# Altium PCB MotorDriverV0.PcbDoc (part 1 of 2) (continued)
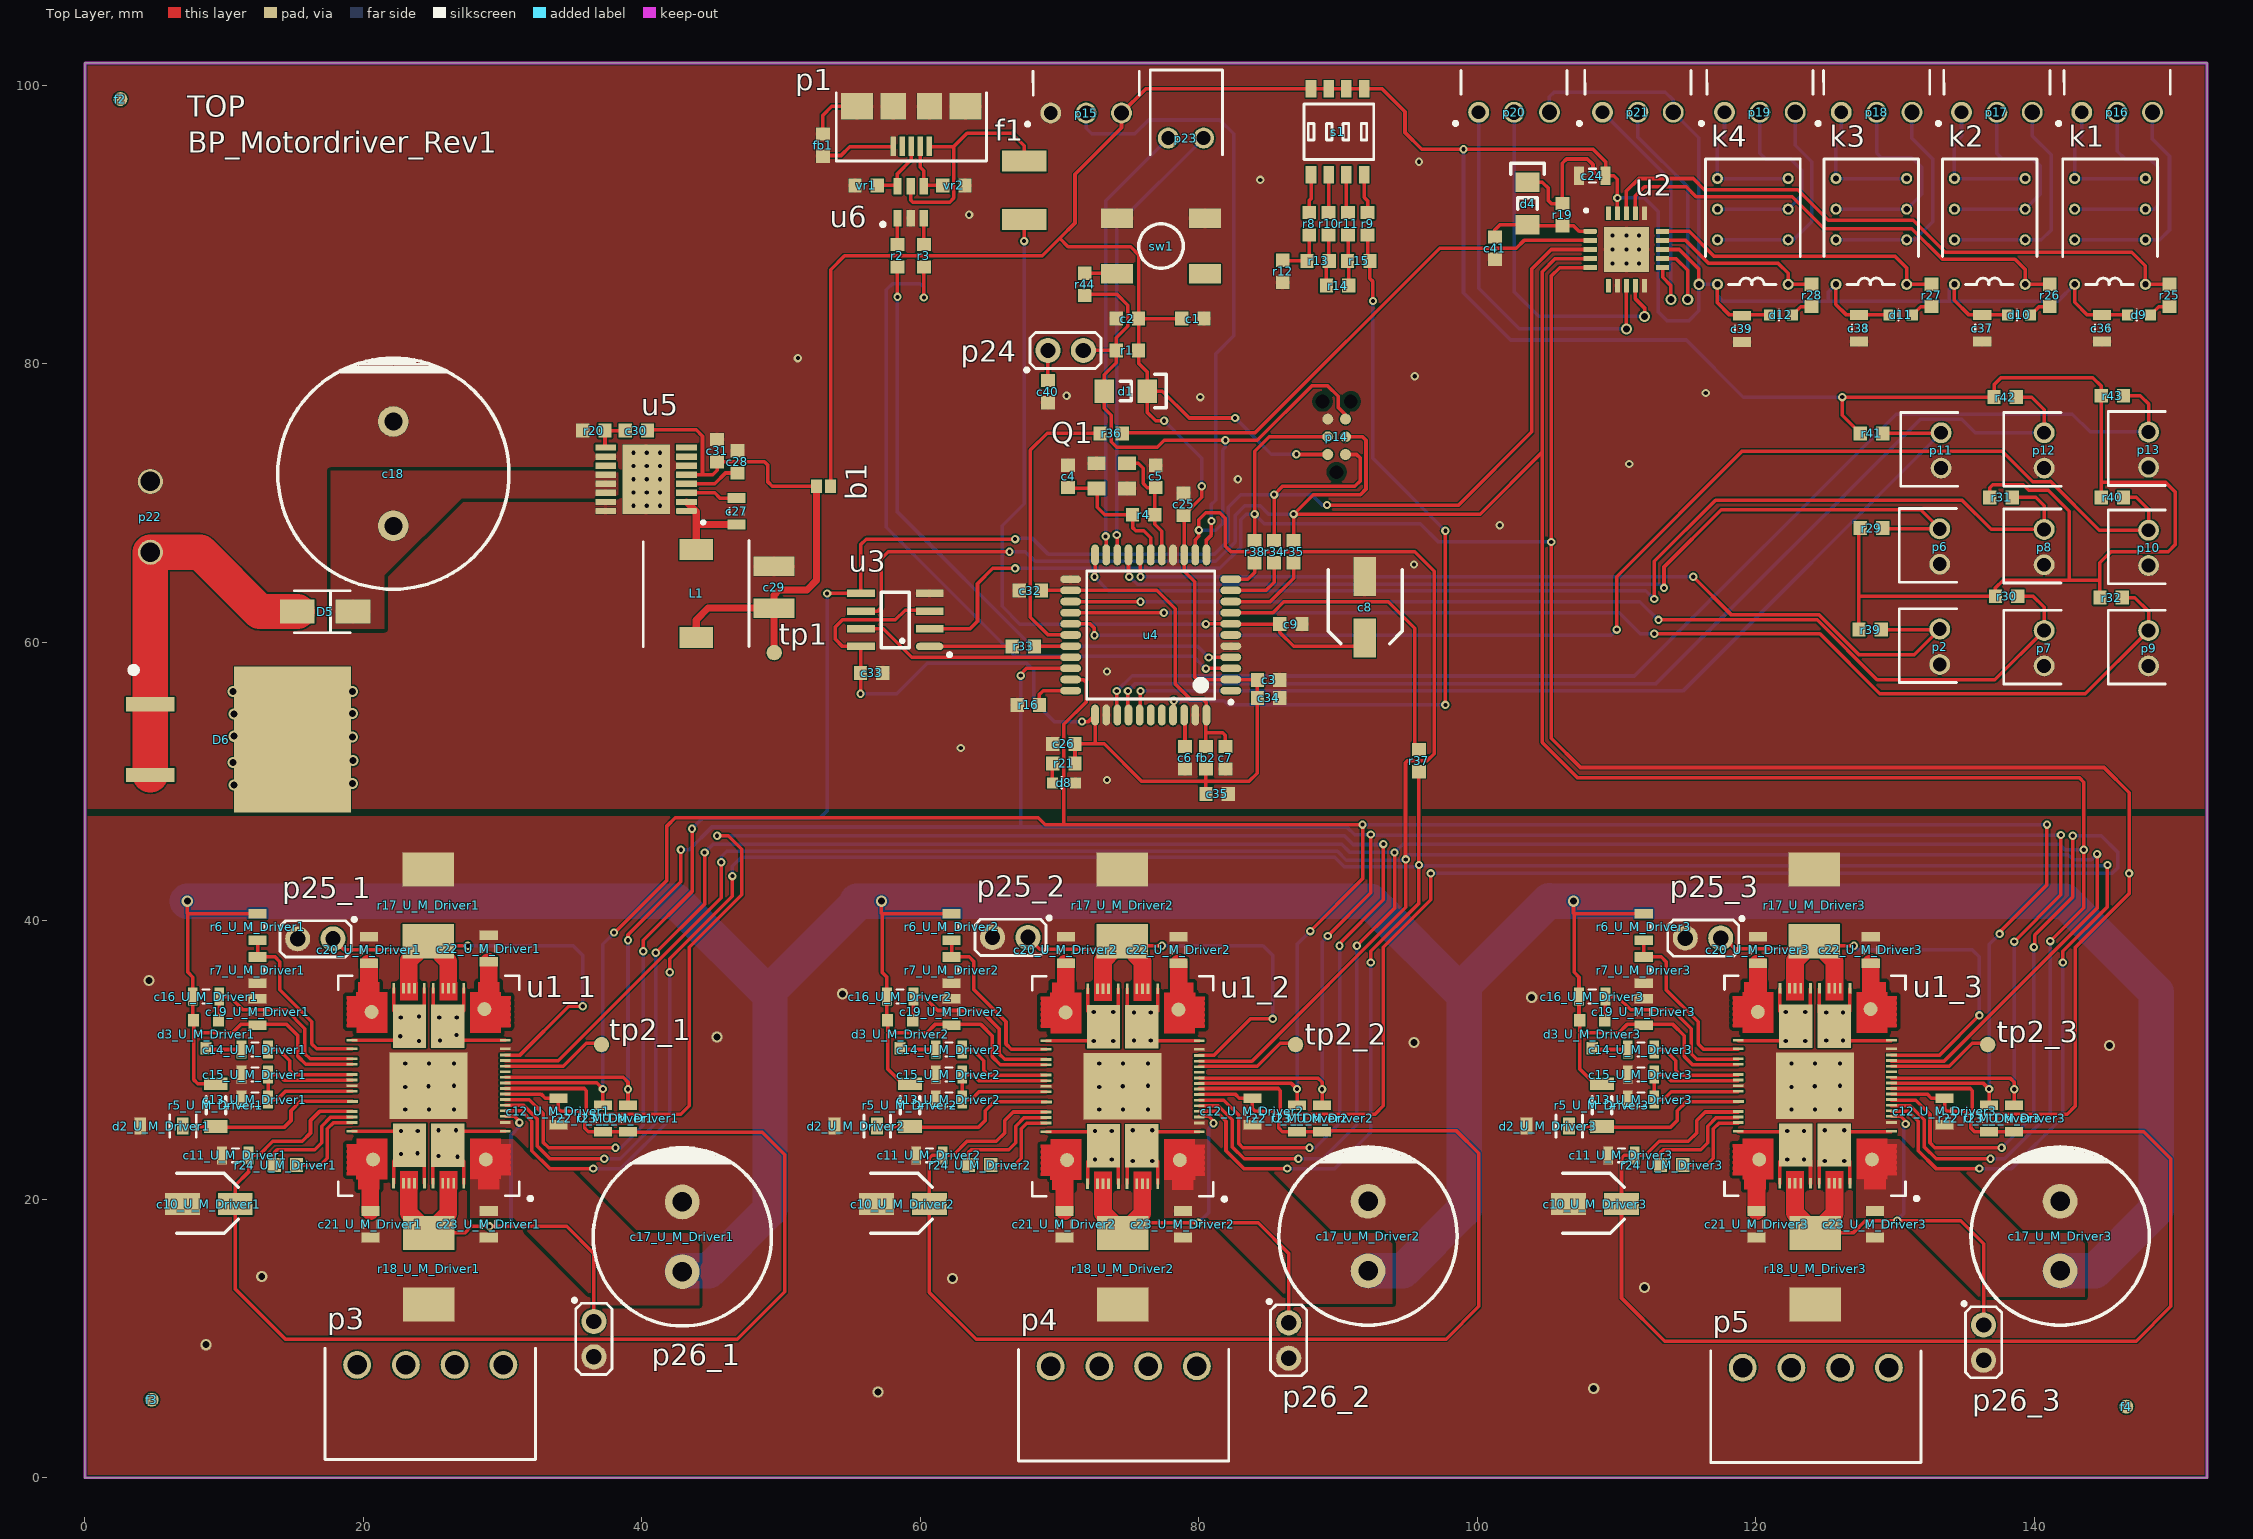
[diagram p0: Top Layer view]
## Components (designator, comment, footprint, x,y, rotation, side; value= is the part's Value field where it differs from the comment) (continued)
r5_U_M_Driver3 "3k9" 1206 108.946,26.75 r270 top (schematic designator r5)
r6_U_M_Driver1 "27k" 0805 12.4,39.55 r90 top (schematic designator r6)
r6_U_M_Driver2 "27k" 0805 62.246,39.55 r90 top (schematic designator r6)
r6_U_M_Driver3 "27k" 0805 111.946,39.55 r90 top (schematic designator r6)
r7_U_M_Driver1 "1k8" 0805 12.4,36.45 r90 top (schematic designator r7)
r7_U_M_Driver2 "1k8" 0805 62.246,36.45 r90 top (schematic designator r7)
r7_U_M_Driver3 "1k8" 0805 111.946,36.45 r90 top (schematic designator r7)
r8 "1k" 0603 87.924,90.051 r90 top
r9 "1k" 0603 92.115,90.051 r90 top
r10 "1k" 0603 89.321,90.051 r90 top
r11 "1k" 0603 90.718,90.051 r90 top
r12 "1k" 0603 86.019,86.622 r270 top
r13 "520R" 0603 88.559,87.384 r180 top
r14 "520R" 0603 89.956,85.606 r180 top
r15 "520R" 0603 91.48,87.384 r180 top
r16 "10k" 0603 67.76,55.5 r0 top
r17_U_M_Driver1 "0R1" 2512 24.65,41.1 r270 top (schematic designator r17)
r17_U_M_Driver2 "0R1" 2512 74.496,41.1 r270 top (schematic designator r17)
r17_U_M_Driver3 "0R1" 2512 124.196,41.1 r270 top (schematic designator r17)
r18_U_M_Driver1 "0R1" 2512 24.7,15 r90 top (schematic designator r18)
r18_U_M_Driver2 "0R1" 2512 74.546,15 r90 top (schematic designator r18)
r18_U_M_Driver3 "0R1" 2512 124.246,15 r90 top (schematic designator r18)
r19 "10k" 0603 106.1,90.7 r90 top
r20 "442k" 0603 36.55,75.2 r0 top
r21 "330R" 0603 70.3,51.3 r0 top
r22_U_M_Driver1 "39k" 0805 37.2,25.8 r90 top (schematic designator r22)
r22_U_M_Driver2 "39k" 0805 87.046,25.8 r90 top (schematic designator r22)
r22_U_M_Driver3 "39k" 0805 136.746,25.8 r90 top (schematic designator r22)
r23_U_M_Driver1 "39k" 0805 39,25.8 r90 top (schematic designator r23)
r23_U_M_Driver2 "39k" 0805 88.846,25.8 r90 top (schematic designator r23)
r23_U_M_Driver3 "39k" 0805 138.546,25.8 r90 top (schematic designator r23)
r24_U_M_Driver1 "NP" 0603 14.4,22.45 r180 top (schematic designator r24)
r24_U_M_Driver2 "NP" 0603 64.246,22.45 r180 top (schematic designator r24)
r24_U_M_Driver3 "NP" 0603 113.946,22.45 r180 top (schematic designator r24)
r25 "220R" 0603 149.7,84.9 r90 top
r26 "220R" 0603 141.1,84.9 r90 top
r27 "220R" 0603 132.6,84.9 r90 top
r28 "220R" 0603 124,84.9 r90 top
r29 "10k" 0603 128.3,68.2 r180 top
r30 "10k" 0603 138,63.3 r180 top
r31 "10k" 0603 137.6,70.4 r180 top
r32 "10k" 0603 145.5,63.2 r180 top
r33 "47R" 0603 67.4,59.7 r0 top
r34 "47R" 0603 85.4,66.5 r270 top
r35 "47R" 0603 86.8,66.5 r270 top
r36 "47R" 0603 73.7,75 r180 top
r37 "47R" 0603 95.8,51.5 r90 top
r38 "47R" 0603 84,66.5 r270 top
r39 "10k" 0603 128.2,60.9 r180 top
r40 "10k" 0603 145.6,70.4 r180 top
r41 "10k" 0603 128.3,75 r180 top
r42 "10k" 0603 137.9,77.6 r180 top
r43 "10k" 0603 145.6,77.7 r180 top
r44 "47R" 0603 71.8,85.7 r270 top
s1 "MCDHN-04F-T-V" Dipswitch-4 89.956,96.655 r0 top
sw1 "MCDTSJW-6" MCDTSJW6 77.278,88.444 r180 top
tp1 "Test Point" "TEST POINT" 49.5,59.25 r0 top
tp2_1 "Test Point" "TEST POINT" 37.1,31.1 r270 top (schematic designator tp2_3)
tp2_2 "Test Point" "TEST POINT" 86.946,31.1 r270 top (schematic designator tp2_3)
tp2_3 "Test Point" "TEST POINT" 136.646,31.1 r270 top
u1_1 "powerSTEP01" VFQFPN 24.69,28.15 r180 top (schematic designator u1_3)
u1_2 "powerSTEP01" VFQFPN 74.529,28.112 r180 top (schematic designator u1_3)
u1_3 "powerSTEP01" VFQFPN 124.236,28.15 r180 top
u2 "MAX4820ETP" TQFN-20 110.7,88.2 r0 top
u3 "256-Kbit F-RAM" SOIC8N 58.2,61.6 r90 top
u4 "ATMega32U4" TQFP-44 76.542,60.518 r180 top
u5 "LM46001" PWP0016G 40.3,71.7 r180 top
u6 "USBLC6-2SC6" SOT23-6 59.3,91.6 r0 top
vr1 "CG0603MLC-05E" 0603 56.1,92.8 r0 top
vr2 "CG0603MLC-05E" 0603 62.4,92.8 r180 top

## Footprints (in the part's own frame and the unit in brackets; to place one, negate y for a bottom-side part, rotate by r counter-clockwise, add the part's x,y. Pads: shape width x height; smd on the part's side, far side on the other; paste and mask are expansions set on the pad)
1x2-HeaderPin [mm] "1x2 Header Pin"
  round 1.8 hole 1.1: 1(1.27,0) 2(-1.27,0)
  silkscreen extent -2.53,-1.3 2.92,1.52, body extent -2.57,-1.3 2.51,1.24, height 5.94
"1X3 Headerpin Angled" [mm]
  round 1.5 hole 1: 1(2.54,0)
  round 1.5 hole 1.1: 2(0,0) 3(-2.54,0)
  silkscreen extent -3.81,-3 4.33,0.93, body extent -3.81,-10.69 3.81,0.36, height 5.97
0603 [mm] "Generic package"
  rect 0.95x1 smd: 1(-0.8,0) 2(0.8,0)
  body extent -0.8,-0.43 0.8,0.43, height 0.83
"0603 - LED" [mm] "Generic Package with marking"
  rect 0.8x0.8 smd: 1(-0.825,0) 2(0.825,0)
  silkscreen extent -0.15,-0.4 -0.15,0.4, body extent -0.82,-0.4 0.78,0.4, height 0.6
0805 [mm] "Generic Package"
  rect 0.7x1.3 smd: 1(-0.95,0) 2(0.95,0)
  silkscreen extent -0.25,-0.5 0.25,0.5, body extent -1,-0.63 1,0.63, height 0.43
1206 [mm] "Generic Package"
  rect 0.914x1.702 smd: 1(-1.537,0) 2(1.537,0)
  silkscreen extent -0.6,-0.7 0.6,0.7, body extent -1.6,-0.83 1.6,0.83, height 0.53
"1206 - DIODE" [mm] "Generic Package"
  rect 1.4x1.7 smd: 1(-1.537,0) 2(1.537,0)
  silkscreen extent -2.9,-1.2 0.4,1.2, body extent -1.6,-0.83 1.6,0.83, height 0.53
1210 [mm]
  rect 1.4x2.95 smd: 1(-1.5,0) 2(1.5,0)
  body extent -1.6,-1.25 1.6,1.25, height 1
2512 [mm]
  rect 2.45x3.7 smd: 1(-2.575,0) 2(2.575,0)
  body extent -3.17,-1.63 3.18,1.63, height 0.58
Dipswitch-4 [mm] "pitch 1.27x6.15"
  rect 0.76x1.25 smd: 1(-1.905,-3.075) 2(-0.635,-3.075) 3(0.635,-3.075) 4(1.905,-3.075) 5(1.905,3.075) 6(0.635,3.075) 7(-0.635,3.075) 8(-1.905,3.075)
  silkscreen extent -2.4,-2 2.6,2, body extent -3.11,-3.49 3.2,3.49, height 1.5
"DO-214AB (SMA)" [mm]
  rect 2.5x1.7 smd: 1(-2,0) 2(2,0)
  silkscreen extent -1.8,-1.5 2.2,1.53, body extent -2.5,-1.35 2.5,1.35, height 2.28
"D²PAK 3" [mm]
  rect 1.016x3.504 smd: 1(-2.54,-5.107) 3(2.54,-5.107)
  rect 10.49x8.38 smd: 4(0,5.106)
  silkscreen extent -5.32,-6.62 -4.68,-5.98, body extent -5.08,-6.32 5.08,8.95, height 4.88
Elco-B [mm] "SMD Electrolytic Capacitor-Size B-Pitch 1mm-4.3mm x 5.4mm"
  rect 2.5x1.6 smd: 1(-1.9,0) 2(1.9,0)
  silkscreen extent -2.3,-2.1 2.1,2.2, body extent -2.55,-2.1 2.45,2.2, height 6.42
Elco-C [mm] "SMD Electrolytic Capacitor-Size B-Pitch 1mm-5.3mm x 5.4mm"
  rect 2.8x1.6 smd: 1(-2.2,0) 2(2.2,0)
  silkscreen extent -2.7,-2.6 2.6,2.7, body extent -2.95,-2.65 2.95,2.65, height 5.41
FIDUCIAL [mm]
  round 1 smd paste+0 mask+1: 0(0,0)
MCDTSJW6 [mm] "SMD Push Switch"
  rect 2.3x1.4 smd: 1(-3.15,2) 2(3.15,2) 3(-3.15,-2) 4(3.15,-2)
  silkscreen extent -1.6,-1.6 1.6,1.6, body extent -4,-3.25 4,3.25, height 4.3
"Micro USB Type B" [mm]
  rect 0.4x1.4 smd: 1(-1.3,1.425) 2(-0.65,1.425) 3(0,1.425) 4(0.65,1.425) 5(1.3,1.425)
  rect 2.3x1.9 smd: 6(-3.9,-1.425) 6(3.9,-1.425)
  rect 1.8x1.9 smd: 6(-1.3,-1.425) 6(1.3,-1.425)
  silkscreen extent -5.4,-2.4 5.4,2.5, body extent -3.99,-3.88 3.99,1.55, height 2.72
Mini2-F3-B [mm]
  rect 1.2x0.85 smd: 1(0,1.525) 2(0,-1.525)
  silkscreen extent -0.8,0.6 0.8,2.5, body extent -0.8,-1.3 0.8,1.3, height 0.8
"PTC Fuses" [mm]
  rect 1.5x3.2 smd: 1(-2.1,0) 2(2.1,0)
  body extent -2.2,-1.5 2.2,1.5, height 0.85
PWP0016G [mm] "PowerPAD TSSOP 16"
  rrect50% 1.5x0.45 smd: 1(-2.9,2.275)
  rect 1.5x0.45 smd: 2(-2.9,1.625) 3(-2.9,0.975) 4(-2.9,0.325) 5(-2.9,-0.325) 6(-2.9,-0.975) 7(-2.9,-1.625) 8(-2.9,-2.275) 9(2.9,-2.275) 10(2.9,-1.625) 11(2.9,-0.975) 12(2.9,-0.325) 13(2.9,0.325) 14(2.9,0.975) 15(2.9,1.625) 16(2.9,2.275)
  rect 3.4x5 smd mask-0.65: 17(0,0)
  silkscreen extent -4.2,3 -4,3.2, body extent -3.25,-2.55 3.25,2.55, height 1.06
ScrewWtB-2 [mm]
  round 1.8 hole 1.4: 1(-2.54,0) 2(2.54,0)
  body extent -5.07,-4.8 5.67,4.7, height 15
"SMD Inductor 7.4x7.4" [mm]
  rect 1.5x2.4 smd: 1(-3.15,0) 2(3.15,0)
  silkscreen extent -3.8,-3.8 3.8,3.8, body extent -3.65,-3.65 3.65,3.65, height 3.5
SOIC8N [mm] "SOIC8 Package, 127 Pitch, 390x490 Dimensions"
  oval 0.53x1.98 smd: 1(-1.905,-2.465)
  rect 0.53x1.98 smd: 2(-0.635,-2.465) 3(0.635,-2.465) 4(1.905,-2.465) 5(1.905,2.465) 6(0.635,2.465) 7(-0.635,2.465) 8(-1.905,2.465)
  silkscreen extent -2.6,-4 2,1, body extent -2.4,-3 2.5,3, height 1.7
"Solder Bridge" [mm]
  rect 0.8x1 smd: 1(-0.5,0) 2(0.5,0)
SOT23 [mm]
  rect 0.8x0.9 smd: 1(-0.9,-1) 2(0,1) 3(0.9,-1)
  body extent -1.5,-1.25 1.5,1.25, height 1.07
SOT23-6 [mm]
  rect 0.6x1.2 smd: 1(-0.95,-1.15) 2(0,-1.15) 3(0.95,-1.15) 4(0.95,1.15) 5(0,1.15) 6(-0.95,1.15)
  silkscreen extent -2.14,-1.74 -1.86,-1.46, body extent -1.47,-1.08 1.43,1.32, height 1
"TAG PROGRAMMER" [mil]
  round 30.98 smd: 1(-50,-25) 2(-50,25) 3(0,-25) 4(0,25) 5(50,-25) 6(50,25)
  round 0 hole 39.02 unplated: 7(-100,0) 8(100,40) 9(100,-40)
"TEST POINT" [mm]
  round 1.1 smd paste+0 mask+0: 1(0,0)
"TH ELCO 12.5" [mm] "D=12.5mm"
  round 2.5 hole 1.4: 1(-2.5,0) 2(2.5,0)
  silkscreen extent -6.4,-6.4 6.4,6.4, body extent -6.25,-6.25 6.25,6.25, height 25
"TH ELCO 16" [mm] "D=16mm"
  round 2.2 hole 1.3: 1(-3.75,0) 2(3.75,0)
  silkscreen extent -8.3,-8.3 8.3,8.3, body extent -8,-8 8,8, height 35.5
THT-8 [mm]
  round 0.8 hole 0.45: 1(-3.8,-2.54) 2(-0.6,-2.54) 3(1.6,-2.54) 4(3.8,-2.54) 5(3.8,2.54) 6(1.6,2.54) 7(-0.6,2.54) 8(-3.8,2.54)
  silkscreen extent -3.8,-3.4 5.2,3.4, body extent -5,-3 5,3, height 5.8
TQFN-20 [mm]
  rect 3.25x3.25 smd: 0(0,0)
  rrect50% 0.95x0.35 smd: 1(-2.6,1.3)
  rect 0.95x0.35 smd: 2(-2.6,0.65) 3(-2.6,0) 4(-2.6,-0.65) 5(-2.6,-1.3) 11(2.6,-1.3) 12(2.6,-0.65) 13(2.6,0) 14(2.6,0.65) 15(2.6,1.3)
  rect 0.35x0.95 smd: 6(-1.3,-2.6) 7(-0.65,-2.6) 8(0,-2.6) 9(0.65,-2.6) 10(1.3,-2.6) 16(1.3,2.6) 17(0.65,2.6) 18(0,2.6) 19(-0.65,2.6) 20(-1.3,2.6)
  silkscreen extent -3,2.7 -2.8,2.9, body extent -2.51,-2.51 2.51,2.51, height 0.71
TQFP-44 [mm] "TQFP-44 pin, 127Pitch, 600-8N"
  oval 1.5x0.55 smd: 1(-5.75,4) 2(-5.75,3.2) 3(-5.75,2.4) 4(-5.75,1.6) 5(-5.75,0.8) 6(-5.75,0) 7(-5.75,-0.8) 8(-5.75,-1.6) 9(-5.75,-2.4) 10(-5.75,-3.2) 11(-5.75,-4) 23(5.75,-4) 24(5.75,-3.2) 25(5.75,-2.4) 26(5.75,-1.6) 27(5.75,-0.8) 28(5.75,0) 29(5.75,0.8) 30(5.75,1.6) 31(5.75,2.4) 32(5.75,3.2) 33(5.75,4)
  oval 0.55x1.5 smd: 12(-4,-5.75) 13(-3.2,-5.75) 14(-2.4,-5.75) 15(-1.6,-5.75) 16(-0.8,-5.75) 17(0,-5.75) 18(0.8,-5.75) 19(1.6,-5.75) 20(2.4,-5.75) 21(3.2,-5.75) 22(4,-5.75) 34(4,5.75) 35(3.2,5.75) 36(2.4,5.75) 37(1.6,5.75) 38(0.8,5.75) 39(0,5.75) 40(-0.8,5.75) 41(-1.6,5.75) 42(-2.4,5.75) 43(-3.2,5.75) 44(-4,5.75)
  silkscreen extent -5.88,-4.6 4.6,4.95, body extent -6,-6 6,6, height 1.2
VFQFPN [mm]
  rect 0.78x0.2 smd: 7(-5.5,3.27) 8(-5.5,2.65) 9(-5.5,2.2) 10(-5.5,1.8) 11(-5.5,1.4) 12(-5.5,1) 13(-5.5,0.6) 14(-5.5,0.2) 15(-5.5,-0.2) 16(-5.5,-0.6) 17(-5.5,-1) 18(-5.5,-1.4) 19(-5.5,-1.8) 20(-5.5,-2.2) 21(-5.5,-2.65) 22(-5.5,-3.27) 53(5.5,-3.27) 54(5.5,-2.65) 55(5.5,-1.93) 56(5.5,-1.54) 57(5.5,-0.8) 58(5.5,-0.4) 59(5.5,0) 60(5.5,0.4) 61(5.48,1.13) 62(5.5,1.85) 63(5.5,2.25) 64(5.5,2.65) 65(5.5,3.27)
  rect 0.2x0.78 smd: 33(-2.51,-7) 34(-1.82,-7) 35(-1.42,-7) 36(-1.01,-7) 37(-0.32,-7) 38(0.32,-7) 39(1.02,-7) 40(1.42,-7) 41(1.82,-7) 42(2.51,-7) 76(2.52,7) 77(1.82,7) 78(1.42,7) 79(1.02,7) 80(0.31,7) 81(-0.31,7) 82(-1.01,7) 83(-1.41,7) 84(-1.8,7) 85(-2.51,7)
  round 1 smd mask+0: 91(-4.1,5.3) 92(-4,-5.5) 95(4.1,-5.3) 96(4,5.3)
  rect 2.4x3.1 smd: 93(-1.38,-4.27) 94(1.38,-4.27) 97(1.38,4.27) 98(-1.38,4.27)
  rect 5.6x4.8 smd: 99(0,0)
  Top Layer region: 5.85,4.2 5.18,4.2 5.18,3.81 2.99,3.81 2.99,6.7 3.54,6.7 3.54,7.43 5.07,7.43 5.07,6.7 5.19,6.7 5.19,6.43 5.85,6.43
  Top Layer region: -5.85,4.2 -5.18,4.2 -5.18,3.81 -2.99,3.81 -2.99,6.7 -3.54,6.7 -3.54,7.43 -5.07,7.43 -5.07,6.7 -5.19,6.7 -5.19,6.43 -5.85,6.43
  Top Layer region: 5.85,-4.2 5.18,-4.2 5.18,-3.81 2.99,-3.81 2.99,-6.7 3.54,-6.7 3.54,-7.43 5.07,-7.43 5.07,-6.7 5.19,-6.7 5.19,-6.43 5.85,-6.43
  Top Layer region: -5.845,-6.42 -5.885,-6.42 -5.885,-6.22 -5.845,-6.22 -5.845,-6.02 -5.885,-6.02 -5.885,-5.82 -5.845,-5.82 -5.845,-5.62 -5.885,-5.62 -5.885,-5.42 -5.845,-5.42 -5.845,-5.22 -5.885,-5.22 -5.885,-5.02 -5.845,-5.02 -5.845,-4.82 -5.885,-4.82 -5.885,-4.62 -5.845,-4.62 -5.845,-4.42 -5.885,-4.42 -5.885,-4.22 -5.865,-4.22 -5.845,-4.2
  Top Layer region: 5.85,-4.22 5.89,-4.22 5.89,-4.42 5.85,-4.42 5.85,-4.62 5.89,-4.62 5.89,-4.82 5.85,-4.82 5.85,-5.02 5.89,-5.02 5.89,-5.23 5.85,-5.23 5.85,-5.42 5.89,-5.42 5.89,-5.62 5.85,-5.62 5.85,-5.82 5.89,-5.82 5.89,-6.02 5.85,-6.02 5.85,-6.22 5.89,-6.22 5.89,-6.42 5.87,-6.42 5.85,-6.43
  Top Layer region: -5.845,4.22 -5.885,4.22 -5.885,4.42 -5.845,4.42 -5.845,4.62 -5.885,4.62 -5.885,4.82 -5.845,4.82 -5.845,5.02 -5.885,5.02 -5.885,5.22 -5.845,5.22 -5.845,5.42 -5.885,5.42 -5.885,5.62 -5.845,5.62 -5.845,5.82 -5.885,5.82 -5.885,6.02 -5.845,6.02 -5.845,6.22 -5.885,6.22 -5.885,6.42 -5.865,6.42 -5.845,6.43
  Top Layer region: 5.85,6.42 5.89,6.42 5.89,6.22 5.85,6.22 5.85,6.02 5.89,6.02 5.89,5.82 5.85,5.82 5.85,5.62 5.89,5.62 5.89,5.42 5.85,5.42 5.85,5.22 5.89,5.22 5.89,5.02 5.85,5.02 5.85,4.82 5.89,4.82 5.89,4.62 5.85,4.62 5.85,4.42 5.89,4.42 5.89,4.22 5.87,4.22 5.85,4.2
  Top Layer region: -0.79,6.14 -2.05,6.14 -2.05,7.44 -0.79,7.44
  Top Layer region: 2.05,6.14 0.79,6.14 0.79,7.44 2.05,7.44
  Top Layer region: 2.05,-7.44 0.79,-7.44 0.79,-6.14 2.05,-6.14
  Top Layer region: -0.79,-7.44 -2.05,-7.44 -2.05,-6.14 -0.79,-6.14
  Top Layer region: -5.85,-4.2 -5.18,-4.2 -5.18,-3.81 -2.99,-3.81 -2.99,-6.7 -3.54,-6.7 -3.54,-7.43 -5.07,-7.43 -5.07,-6.7 -5.19,-6.7 -5.19,-6.43 -5.85,-6.43
  silkscreen extent -7.44,-7.9 6.5,8.24, body extent -5.5,-7 5.5,6.99, height 0.9
WtB-F-2p [mm]
  round 1.5 hole 1: 1(0,0) 2(2.54,0)
  silkscreen extent -1.3,-1.2 3.9,4.9, body extent -1.16,-1.38 3.92,13.05, height 6.02
WtB-F-2p_V [mm]
  round 1.5 hole 1: 1(0,0) 2(2.54,0)
  silkscreen extent -1.3,-1.2 4,2.9, body extent -1.18,-3.2 3.9,2.6, height 11.45
WtB-F-4p [mm]
  round 2 hole 1.4: 1(-5.25,0) 2(-1.75,0) 3(1.75,0) 4(5.25,0)
  silkscreen extent -7.55,-1.2 7.55,6.8
X32 [mm] "Crystal Oscillator X32 Package, 3.2x2.5"
  rect 1.3x1 smd: 1(-1.1,-0.9) 2(1.1,-0.9) 3(1.1,0.9) 4(-1.1,0.9)
  body extent -1.6,-1.25 1.6,1.25, height 0.91

## Part data
c1 c2 c3 c4 c5 c6 c7 c9 c25 c26 c28 c30 c31 c32 c33 c34 c35 c40 c41: library part "0603 Capacitor", "...F"
c8: library part "Elco C"
c10_U_M_Driver1 c10_U_M_Driver2 c10_U_M_Driver3: library part "Elco B"
c11_U_M_Driver1 c11_U_M_Driver2 c11_U_M_Driver3 c12_U_M_Driver1 c12_U_M_Driver2 c12_U_M_Driver3 c13_U_M_Driver1 c13_U_M_Driver2 c13_U_M_Driver3 c14_U_M_Driver1 c14_U_M_Driver2 c14_U_M_Driver3 c15_U_M_Driver1 c15_U_M_Driver2 c15_U_M_Driver3 c16_U_M_Driver1 c16_U_M_Driver2 c16_U_M_Driver3 c19_U_M_Driver1 c19_U_M_Driver2 c19_U_M_Driver3 c20_U_M_Driver1 c20_U_M_Driver2 c20_U_M_Driver3 c21_U_M_Driver1 c21_U_M_Driver2 c21_U_M_Driver3 c22_U_M_Driver1 c22_U_M_Driver2 c22_U_M_Driver3 c23_U_M_Driver1 c23_U_M_Driver2 c23_U_M_Driver3 c24 c27 c36 c37 c38 c39: library part "0805 Capacitor", "...F"
c17_U_M_Driver1 c17_U_M_Driver2 c17_U_M_Driver3: library part "Elco TH d12.5", "d = 12.5mm"
c18: library part "Elco TH d16", "d = 16mm"
c29: library part "1210 Capacitor", "C1210C107M8PACTU"
d1 d4: "Switching Chip Diode"
d2_U_M_Driver1 d2_U_M_Driver2 d2_U_M_Driver3: "Zener diode"
D5: "Schottky Rectifier"
D6: "Schottky Diode 10A"
d8 d9 d10 d11 d12: "0603 Package"
f1: library part "MF-MSMF Fuse", "Style 1"
k1 k2 k3 k4: "Standard THT Package"
L1: library part SRR0735A-180M, "Shielded Power Inducor"
p1: "SMD"
p3 p4 p5: library part "Wire-to-Board connector 4 contacts", "Wire-to-Board connector"
p14: library part "2x3 Header", "Header Pin"
p15: library part "Wire-to-Board 3 Pin"
p22: "Wire-to-board connection"
Q1: "X32"
r1 r2 r3 r4 r8 r9 r10 r11 r12 r13 r14 r15 r16 r19 r20 r21 r24_U_M_Driver1 r24_U_M_Driver2 r24_U_M_Driver3 r25 r26 r27 r28 r29 r30 r31 r32 r33 r34 r35 r36 r37 r38 r39 r40 r41 r42 r43 r44: library part "0603 Resistor", "...R"
r5_U_M_Driver1 r5_U_M_Driver2 r5_U_M_Driver3: library part "1206 Resistor", "..R"
r6_U_M_Driver1 r6_U_M_Driver2 r6_U_M_Driver3 r7_U_M_Driver1 r7_U_M_Driver2 r7_U_M_Driver3 r22_U_M_Driver1 r22_U_M_Driver2 r22_U_M_Driver3 r23_U_M_Driver1 r23_U_M_Driver2 r23_U_M_Driver3: library part "0805 Resistor", "...R"
r17_U_M_Driver1 r17_U_M_Driver2 r17_U_M_Driver3 r18_U_M_Driver1 r18_U_M_Driver2 r18_U_M_Driver3: library part "2512 Resistor", "..R"
s1: "Dipswitch 4 way"
sw1: "Push button"
u1_1 u1_2 u1_3: "VFQFPN"
u2: "20 TQFN-EP"
u3: library part FM25W256, "256-Kbit (32Kx8) Serial SPI F-RAM"
u6: "SOT23-6 ESD"
vr1 vr2: "5V, 8V Varistor - 0603"

## Via types
v1: diameter 0.6, hole 0.3, Top Layer to Bottom Layer, 210 vias
v2: diameter 0.8, hole 0.5, Top Layer to Bottom Layer, 28 vias
v3: diameter 0.8, hole 0.3, Top Layer to Bottom Layer, 15 vias
v4: diameter 0.8, hole 0.5, Top Layer to Bottom Layer, tented both sides, 2 vias

## Nets (pads, with @x,y where several pads share a name; then routed paths per layer and width w, separated by ;. In a path a pad name is that pad's centre, name@x,y a point inside that pad or via, vN(x,y) a via of type N, cw(c..) or ccw(c..) an arc to the next point about the centre after c; other vN are vias at no path point)
B\U\S\Y\: r22_U_M_Driver1.2 r22_U_M_Driver2.2 r22_U_M_Driver3.2 u1_1.15 u1_2.15 u1_3.15 u4.32 | length 199.1
  Top Layer w0.254: u1_1.15@30.19,28.35 36.75,28.35 36.756,28.356 v1(37.2,27.912) r22_U_M_Driver1.2@37.2,26.75 ; v1(38,39.15) 38.05,39.15 41.8,42.9 41.8,46.8 42.4,47.4 68.46,47.4 68.96,46.9 70.3,46.9 ; u4.32@70.792,57.318 71.682,57.318 71.9,57.1 71.9,55.7 70.3,54.1 70.3,46.9 ; u1_2.15@80.029,28.312 86.646,28.312 v1(87.046,27.912) r22_U_M_Driver2.2@87.046,26.75 ; v1(88,39.254) 91.75,43.004 v1(91.75,46.9) 70.3,46.9 ; u1_3.15@129.729,28.312 136.346,28.312 v1(136.746,27.912) r22_U_M_Driver3.2@136.746,26.75 ; v1(137.5,39.054) 137.5,39.189 140.9,42.589 v1(140.9,46.9)
  Bottom Layer w0.254: v1(37.2,27.912) 37.2,38.3 38,39.1 v1(38,39.15) ; v1(87.046,27.912) 87.046,38.3 v1(88,39.254) ; v1(91.75,46.9) v1(140.9,46.9) ; v1(136.746,27.912) 136.746,38.3 v1(137.5,39.054)
CS0: r37.1 u1_1.10 u1_2.10 u1_3.10 | length 215.8
  Top Layer w0.254: u1_1.10@30.19,26.35 31.35,26.35 32.1,25.6 32.1,23.484 33.384,22.2 v1(36.5,22.2) ; v1(42,36.3) 42,37.267 46.5,41.767 v1(46.5,43.2) ; u1_2.10@80.029,26.312 81.234,26.312 81.946,25.6 81.946,23.484 83.23,22.2 v1(86.346,22.2) ; v1(92.346,37) 92.346,37.8 95.8,41.254 v1(95.8,44) r37.1@95.8,50.7 r37.1@95.8,50.97 ; u1_3.10@129.729,26.312 130.934,26.312 131.646,25.6 131.646,23.484 132.93,22.2 v1(136.046,22.2) ; v1(142.046,37) 142.046,37.8 145.246,41 v1(145.246,44)
  Bottom Layer w0.254: v1(36.5,22.2) 38.5,22.2 42,25.7 v1(42,36.3) ; v1(46.5,43.2) 46.5,43.9 47.15,44.55 89.75,44.55 90.429,43.871 95.671,43.871 v1(95.8,44) 95.865,43.935 145.181,43.935 v1(145.246,44) ; v1(86.346,22.2) 89.75,22.2 92.346,24.796 v1(92.346,37) ; v1(136.046,22.2) 138.35,22.2 142.046,25.896 v1(142.046,37)
CS1: r36.1 u2.2 | length 39.3
  Top Layer w0.254: r36.1@74.5,75 74.529,75.029 84.029,75.029 97.3,88.3 102.8,88.3 103.35,88.85 u2.2@108.1,88.85
CS_FRAM: r33.1 u3.1 | length 5.9
  Top Layer w0.254: u3.1@60.665,59.695 60.67,59.7 r33.1@66.6,59.7
D+: r2.2 u4.4 | length 46.2
  Top Layer w0.254: v1(58.35,84.8) r2.2@58.35,86.95 ; v1(80.7,58.9) 80.536,58.9 80.518,58.918 u4.4@82.292,58.918
  Bottom Layer w0.254: v1(58.35,84.8) 58.35,69.35 68,59.7 79.9,59.7 v1(80.7,58.9)
D-: r3.2 u4.3 | length 51.9
  Top Layer w0.254: v1(60.25,84.75) r3.2@60.25,86.95 ; v1(80.5,58.1) 80.518,58.118 u4.3@82.292,58.118
  Bottom Layer w0.254: v1(60.25,84.75) 60.25,85.5 60,85.75 58,85.75 57.55,85.3 57.55,68.25 66.8,59 79.6,59 v1(80.5,58.1)
ERC0: p2.2 r39.1 u4.18 | length 66.2
  Top Layer w0.254: u4.18@75.742,66.268 75.8,66.21 v1(75.8,64.7) ; v1(115.5,64.7) 118.244,61.956 124.547,61.956 127.403,59.1 131.36,59.1 133.16,60.9 r39.1@129,60.9
  Bottom Layer w0.254: v1(75.8,64.7) v1(115.5,64.7)
ERC1: p6.2 r29.1 u4.19 | length 68
  Top Layer w0.254: u4.19@74.942,66.268 74.942,64.758 v1(75,64.7) ; v1(113.4,63.9) 113.4,65.4 117.5,69.5 131.84,69.5 p6.2@133.2,68.14 129.16,68.14 r29.1@129.1,68.2
  Bottom Layer w0.254: v1(75,64.7) 75.052,64.7 75.581,64.171 113.1,64.171 113.371,63.9 v1(113.4,63.9)
ERC2: p7.2 r30.1 u4.25 | length 77.6
  Top Layer w0.254: u4.25@70.792,62.918 70.81,62.9 v1(75.8,62.9) ; v1(113,61.6) 124.4,61.6 128.7,57.3 137.16,57.3 p7.2@140.7,60.84 140.7,62.5 139.9,63.3 r30.1@138.8,63.3
  Bottom Layer w0.254: v1(75.8,62.9) 111.664,62.9 112.964,61.6 v1(113,61.6)
ERC3: p8.2 r31.1 u4.22 | length 80.1
  Top Layer w0.254: v1(72.5,64.7) 72.542,64.742 u4.22@72.542,66.268 ; v1(112.7,63.1) 112.7,65.8 117.1,70.2 134.8,70.2 136.9,68.1 p8.2@140.7,68.1 140.7,69.8 140.1,70.4 r31.1@138.4,70.4
  Bottom Layer w0.254: v1(72.5,64.7) 73.5,63.7 112.1,63.7 v1(112.7,63.1)
ERC4: p9.2 r32.1 u4.26 | length 85.4
  Top Layer w0.254: u4.26@70.792,62.118 v1(77.482,62.118) ; v1(112.7,60.6) 124.6,60.6 128.9,56.3 143.66,56.3 p9.2@148.2,60.84 148.2,62.2 147.2,63.2 r32.1@146.3,63.2
  Bottom Layer w0.254: v1(77.482,62.118) 110.182,62.118 111.7,60.6 v1(112.7,60.6)
ERC5: p10.2 r40.1 u4.27 | length 91.7
  Top Layer w0.254: u4.27@70.792,61.318 72.182,61.318 72.5,61 v1(72.5,60.5) ; v1(110,60.9) 110,64.7 119,73.7 137.69,73.7 139.868,71.521 141.105,71.521 141.134,71.55 141.15,71.55 144.66,68.04 p10.2@148.2,68.04 148.2,69.5 147.3,70.4 r40.1@146.4,70.4
  Bottom Layer w0.254: v1(72.5,60.5) 109.6,60.5 v1(110,60.9)
F\L\A\G\: r23_U_M_Driver1.2 r23_U_M_Driver2.2 r23_U_M_Driver3.2 u1_1.16 u1_2.16 u1_3.16 u4.31 | length 204.7
  Top Layer w0.254: u1_1.16@30.19,28.75 38.65,28.75 39,28.4 v1(39,27.9) r23_U_M_Driver1.2@39,26.75 ; v1(39,38.6) 39,38.991 42.8,42.791 v1(42.8,45.1) ; v1(67.2,57.6) 67.2,57.7 67.618,58.118 u4.31@70.792,58.118 ; u1_2.16@80.029,28.712 80.041,28.7 88.546,28.7 88.846,28.4 v1(88.846,27.9) r23_U_M_Driver2.2@88.846,26.75 ; v1(89.246,38.9) 92.346,42 92.336,42.01 v1(92.336,46.186) ; u1_3.16@129.729,28.712 129.741,28.7 138.246,28.7 138.546,28.4 v1(138.546,27.9) r23_U_M_Driver3.2@138.546,26.75 ; v1(138.546,38.5) 141.9,41.854 v1(141.9,46.15)
  Bottom Layer w0.254: v1(39,27.9) v1(39,38.6) ; v1(42.8,45.1) 43.4,45.1 45.029,46.729 67.2,46.729 ; v1(67.2,57.6) 67.2,46.729 ; v1(88.846,27.9) 88.846,38.5 v1(89.246,38.9) ; v1(138.546,27.9) v1(138.546,38.5) ; v1(141.9,46.15) 92.371,46.15 v1(92.336,46.186) 92.321,46.171 91.179,46.171 90.621,46.729 67.2,46.729
FRAM_H\O\L\D\: u3.7 u4.30 | length 15.9
  Top Layer w0.254: u3.7@55.735,60.965 57.335,60.965 59.382,58.918 u4.30@70.792,58.918
GND: c1.2 c2.2 c3.2 c4.2 c5.2 c6.1 c7.2 c8.1 c9.2 c18.1 c24.2 c25.2 c26.2 c28.1 c29.1 c31.1 c32.2 c33.1 c34.2 c35.2 c36.1 c37.1 c38.1 c39.1 c40.1 c41.1 d8.2 fb1.1 fb1.2 p1.5 p1.6 p2.1 p6.1 p7.1 p8.1 p9.1 p10.1 p11.1 p12.1 p13.1 p14.6 p15.1 p22.2 Q1.2 Q1.4 r12.2 r16.1 r20.1 sw1.3 sw1.4 u2.0 u2.7 u2.10 u2.16 u3.4 u4.5 u4.15 u4.23 u4.35 u4.43 u5.6 u5.10 u5.15 u5.16 u5.17 u6.2 vr1.1 vr2.1 | length 9.1
  Top Layer w0.254: fb1.2@53,96.5 53,97.85 53.625,98.475 p1.6@55.45,98.475 ; fb1.1@53.25,94.95 54.3,94.95 54.93,95.58 p1.5@58.037,95.58
  other v1: 73.4,50.1 62.9,52.4 73.4,57.9 95.443,65.578 101.6,68.4 82.8,71.7 110.9,72.8 80.1,77.6 70.5,77.7 116.4,77.9 95.5,79.1 51.2,80.4 109.7,87.2 110.7,87.2 111.6,87.2 109.7,88.2 110.7,88.2 111.6,88.2 109.7,89.2 110.7,89.2 111.6,89.2 63.5,90.7 84.4,93.2 95.8,94.5
  other v3: 39.4,69.8 40.35,69.8 41.3,69.8 39.4,70.75 40.35,70.75 41.3,70.75 39.4,71.7 40.35,71.7 41.3,71.7 39.4,72.65 40.35,72.65 41.3,72.65 39.4,73.6 40.35,73.6 41.3,73.6
Home0: p11.2 r41.1 u4.38 | length 71.2
  Top Layer w0.254: u4.38@75.742,54.768 75.8,54.826 v1(75.8,56.5) ; r41.1@129.1,75 133.26,75 p11.2@133.3,75.04
  Bottom Layer w0.254: v1(75.8,56.5) 114.76,56.5 p11.2@133.3,75.04
Home1: p12.2 r42.1 u4.37 | length 80.1
  Top Layer w0.254: v1(74.9,56.5) 74.9,54.81 u4.37@74.942,54.768 ; r42.1@138.7,77.6 139.8,77.6 140.7,76.7 p12.2@140.7,75.04
  Bottom Layer w0.254: v1(74.9,56.5) 75.429,57.029 112.829,57.029 131.819,76.019 134.781,76.019 135.76,75.04 p12.2@140.7,75.04
Home2: p13.2 r43.1 u4.36 | length 88.6
  Top Layer w0.254: v1(74.1,56.5) 74.1,54.81 u4.36@74.142,54.768 ; r43.1@146.4,77.7 147.6,77.7 148.2,77.1 p13.2@148.2,75.1
  Bottom Layer w0.254: v1(74.1,56.5) 75.2,57.6 80.252,57.6 ; 80.281,57.571 111.271,57.571 130.074,76.374 142.726,76.374 144,75.1 p13.2@148.2,75.1
MOSI: p14.1 r34.1 u1_1.12 u2.3 u3.5 | length 151.5
  Top Layer w0.254: u1_1.12@30.19,27.15 31.9,27.15 32.9,26.15 32.9,24.1 33.3,23.7 v1(38.1,23.7) ; v1(40.1,37.8) 40.1,38.6 43.6,42.1 v1(43.6,46.6) ; v1(53.3,63.5) 55.53,63.5 55.63,63.4 u3.5@55.735,63.505 ; u3.5@55.7,63.505 55.7,67 56.1,67.4 v1(66.8,67.4) ; r34.1@85.4,67.3 v1(85.4,70.6) 86,71.2 91.2,71.2 91.6,71.6 91.6,73.2 91.321,73.479 p14.1@90.525,73.479 ; v1(89.2,69.85) 98.65,69.85 103.9,75.1 103.9,86.8 105.3,88.2 u2.3@108.1,88.2
  Bottom Layer w0.254: v1(38.1,23.7) 38.5,23.7 40.1,25.3 v1(40.1,37.8) ; v1(43.6,46.6) 44.35,47.35 52.75,47.35 53.3,47.9 v1(53.3,63.5) ; v1(66.8,67.4) 66.85,67.45 68.05,67.45 69.2,66.3 81.1,66.3 82.1,67.3 82.1,69.7 83,70.6 v1(85.4,70.6) 88.1,70.6 88.85,69.85 v1(89.2,69.85)
Netb1_1: b1.1 c29.2 c30.2 c31.2 L1.2 tp1.1 u5.5 | length 40
  Top Layer w0.254: c30.2@40.4,75.2 40.45,75.25 43.9,75.25 44.35,74.8 44.35,72.025 ; u5.5@43.2,72.025 44.35,72.025 ; b1.1@52.55,71.2 49.35,71.2 49.05,71.5 49.05,72.7 48.8,72.95 c31.2@45.4,72.95 45.4,72.35 45.075,72.025 44.35,72.025
  Top Layer w0.508: L1.2@43.9,60.35 43.9,61.6 44.75,62.45 c29.2@49.5,62.45 ; tp1.1@49.5,59.25 c29.2@49.5,62.45 ; b1.1@52.55,71.2 52.55,64.45 51.85,63.75 49.85,63.75 49.5,63.4 c29.2@49.5,62.45
Netc4_1: c4.1 Q1.3 r4.1 u4.17 | length 10
  Top Layer w0.254: c4.1@70.6,71.1 70.652,71.048 Q1.3@72.648,71.048 72.7,70.996 72.7,69.7 73.246,69.154 r4.1@75.234,69.154 75.234,68.234 75.468,68 76.042,68 76.542,67.5 u4.17@76.542,66.268
Netc5_1: c5.1 Q1.1 r4.2 u4.16 | length 8.5
  Top Layer w0.254: Q1.1@74.848,72.848 75.652,72.848 76,72.5 76,71.4 76.3,71.1 c5.1@76.9,71.1 76.834,71.034 r4.2@76.834,69.154 76.834,68.466 77.342,67.958 u4.16@77.342,66.268
Netc6_2: c6.2 u4.42 | length 2.3
  Top Layer w0.254: u4.42@78.942,54.768 79,54.71 c6.2@79,52.5
Netc7_1: c7.1 c32.1 fb2.2 u4.24 u4.44 | length 23.8
  Top Layer w0.254: c32.1@68.7,63.718 u4.24@70.792,63.718 76.982,63.718 78.3,62.4 78.3,57 79.393,55.907 80.293,55.907 80.542,55.658 u4.44@80.542,54.768 80.5,54.726 80.5,53.5 ; fb2.2@80.5,52.5 80.5,53.5 ; c7.1@81.9,52.5 81.9,53.3 81.7,53.5 80.5,53.5
Netc13_U_M_Driver1_2: c13_U_M_Driver1.2 c15_U_M_Driver1.2 u1_1.58 u1_1.60 | length 14.3
  Top Layer w0.254: u1_1.60@19.19,27.75 14.4,27.75 13.8,27.15 c13_U_M_Driver1.2@13.15,27.15 c15_U_M_Driver1.2@13.15,28.95 13.9,28.95 14.3,28.55 u1_1.58@19.19,28.55
Netc13_U_M_Driver2_2: c13_U_M_Driver2.2 c15_U_M_Driver2.2 u1_2.58 u1_2.60 | length 14.3
  Top Layer w0.254: u1_2.60@69.029,27.712 64.208,27.712 63.646,27.15 c13_U_M_Driver2.2@62.996,27.15 c15_U_M_Driver2.2@62.996,28.95 63.746,28.95 64.184,28.512 u1_2.58@69.029,28.512
Netc13_U_M_Driver3_2: c13_U_M_Driver3.2 c15_U_M_Driver3.2 u1_3.58 u1_3.60 | length 14.3
  Top Layer w0.254: u1_3.60@118.729,27.712 113.908,27.712 113.346,27.15 c13_U_M_Driver3.2@112.696,27.15 c15_U_M_Driver3.2@112.696,28.95 113.446,28.95 113.884,28.512 u1_3.58@118.729,28.512
Netc14_U_M_Driver1_1: c14_U_M_Driver1.1 d3_U_M_Driver1.2 | length 2.6
  Top Layer w0.254: d3_U_M_Driver1.2@8.7,30.85 8.8,30.75 c14_U_M_Driver1.1@11.25,30.75
Netc14_U_M_Driver1_2: c14_U_M_Driver1.2 u1_1.57 | length 7.2
  Top Layer w0.254: c14_U_M_Driver1.2@13.15,30.75 13.9,30.75 14.7,29.95 14.7,29.25 15,28.95 u1_1.57@19.19,28.95
Netc14_U_M_Driver2_1: c14_U_M_Driver2.1 d3_U_M_Driver2.2 | length 2.6
  Top Layer w0.254: d3_U_M_Driver2.2@58.546,30.85 58.646,30.75 c14_U_M_Driver2.1@61.096,30.75
Netc14_U_M_Driver2_2: c14_U_M_Driver2.2 u1_2.57 | length 7.2
  Top Layer w0.254: c14_U_M_Driver2.2@62.996,30.75 63.746,30.75 64.546,29.95 64.546,29.25 64.884,28.912 u1_2.57@69.029,28.912
Netc14_U_M_Driver3_1: c14_U_M_Driver3.1 d3_U_M_Driver3.2 | length 2.6
  Top Layer w0.254: d3_U_M_Driver3.2@108.246,30.85 108.346,30.75 c14_U_M_Driver3.1@110.796,30.75
Netc14_U_M_Driver3_2: c14_U_M_Driver3.2 u1_3.57 | length 7.2
  Top Layer w0.254: c14_U_M_Driver3.2@112.696,30.75 113.446,30.75 114.246,29.95 114.246,29.25 114.584,28.912 u1_3.57@118.729,28.912
Netc16_U_M_Driver1_2: c16_U_M_Driver1.2 d3_U_M_Driver1.1 u1_1.55 | length 14.2
  Top Layer w0.254: d3_U_M_Driver1.1@9.6,32.85 9.65,32.9 c16_U_M_Driver1.2@9.65,34.55 10.4,34.55 11.35,33.6 14.45,33.6 15.8,32.25 15.8,30.45 16.175,30.075 19.185,30.075 u1_1.55@19.19,30.08
Netc16_U_M_Driver2_2: c16_U_M_Driver2.2 d3_U_M_Driver2.1 u1_2.55 | length 14.2
  Top Layer w0.254: d3_U_M_Driver2.1@59.446,32.85 59.496,32.9 c16_U_M_Driver2.2@59.496,34.55 60.25,34.55 61.25,33.55 64.346,33.55 65.646,32.25 65.646,30.45 66.054,30.042 u1_2.55@69.029,30.042
Netc16_U_M_Driver3_2: c16_U_M_Driver3.2 d3_U_M_Driver3.1 u1_3.55 | length 14.2
  Top Layer w0.254: d3_U_M_Driver3.1@109.146,32.85 109.196,32.9 c16_U_M_Driver3.2@109.196,34.55 110.05,34.55 111,33.6 113.996,33.6 115.346,32.25 115.346,30.45 115.754,30.042 u1_3.55@118.729,30.042
Netc18_2: c18.2 D5.1 u5.12 u5.13 u5.14